# KiCad board cyclic.kicad_pcb (continued)
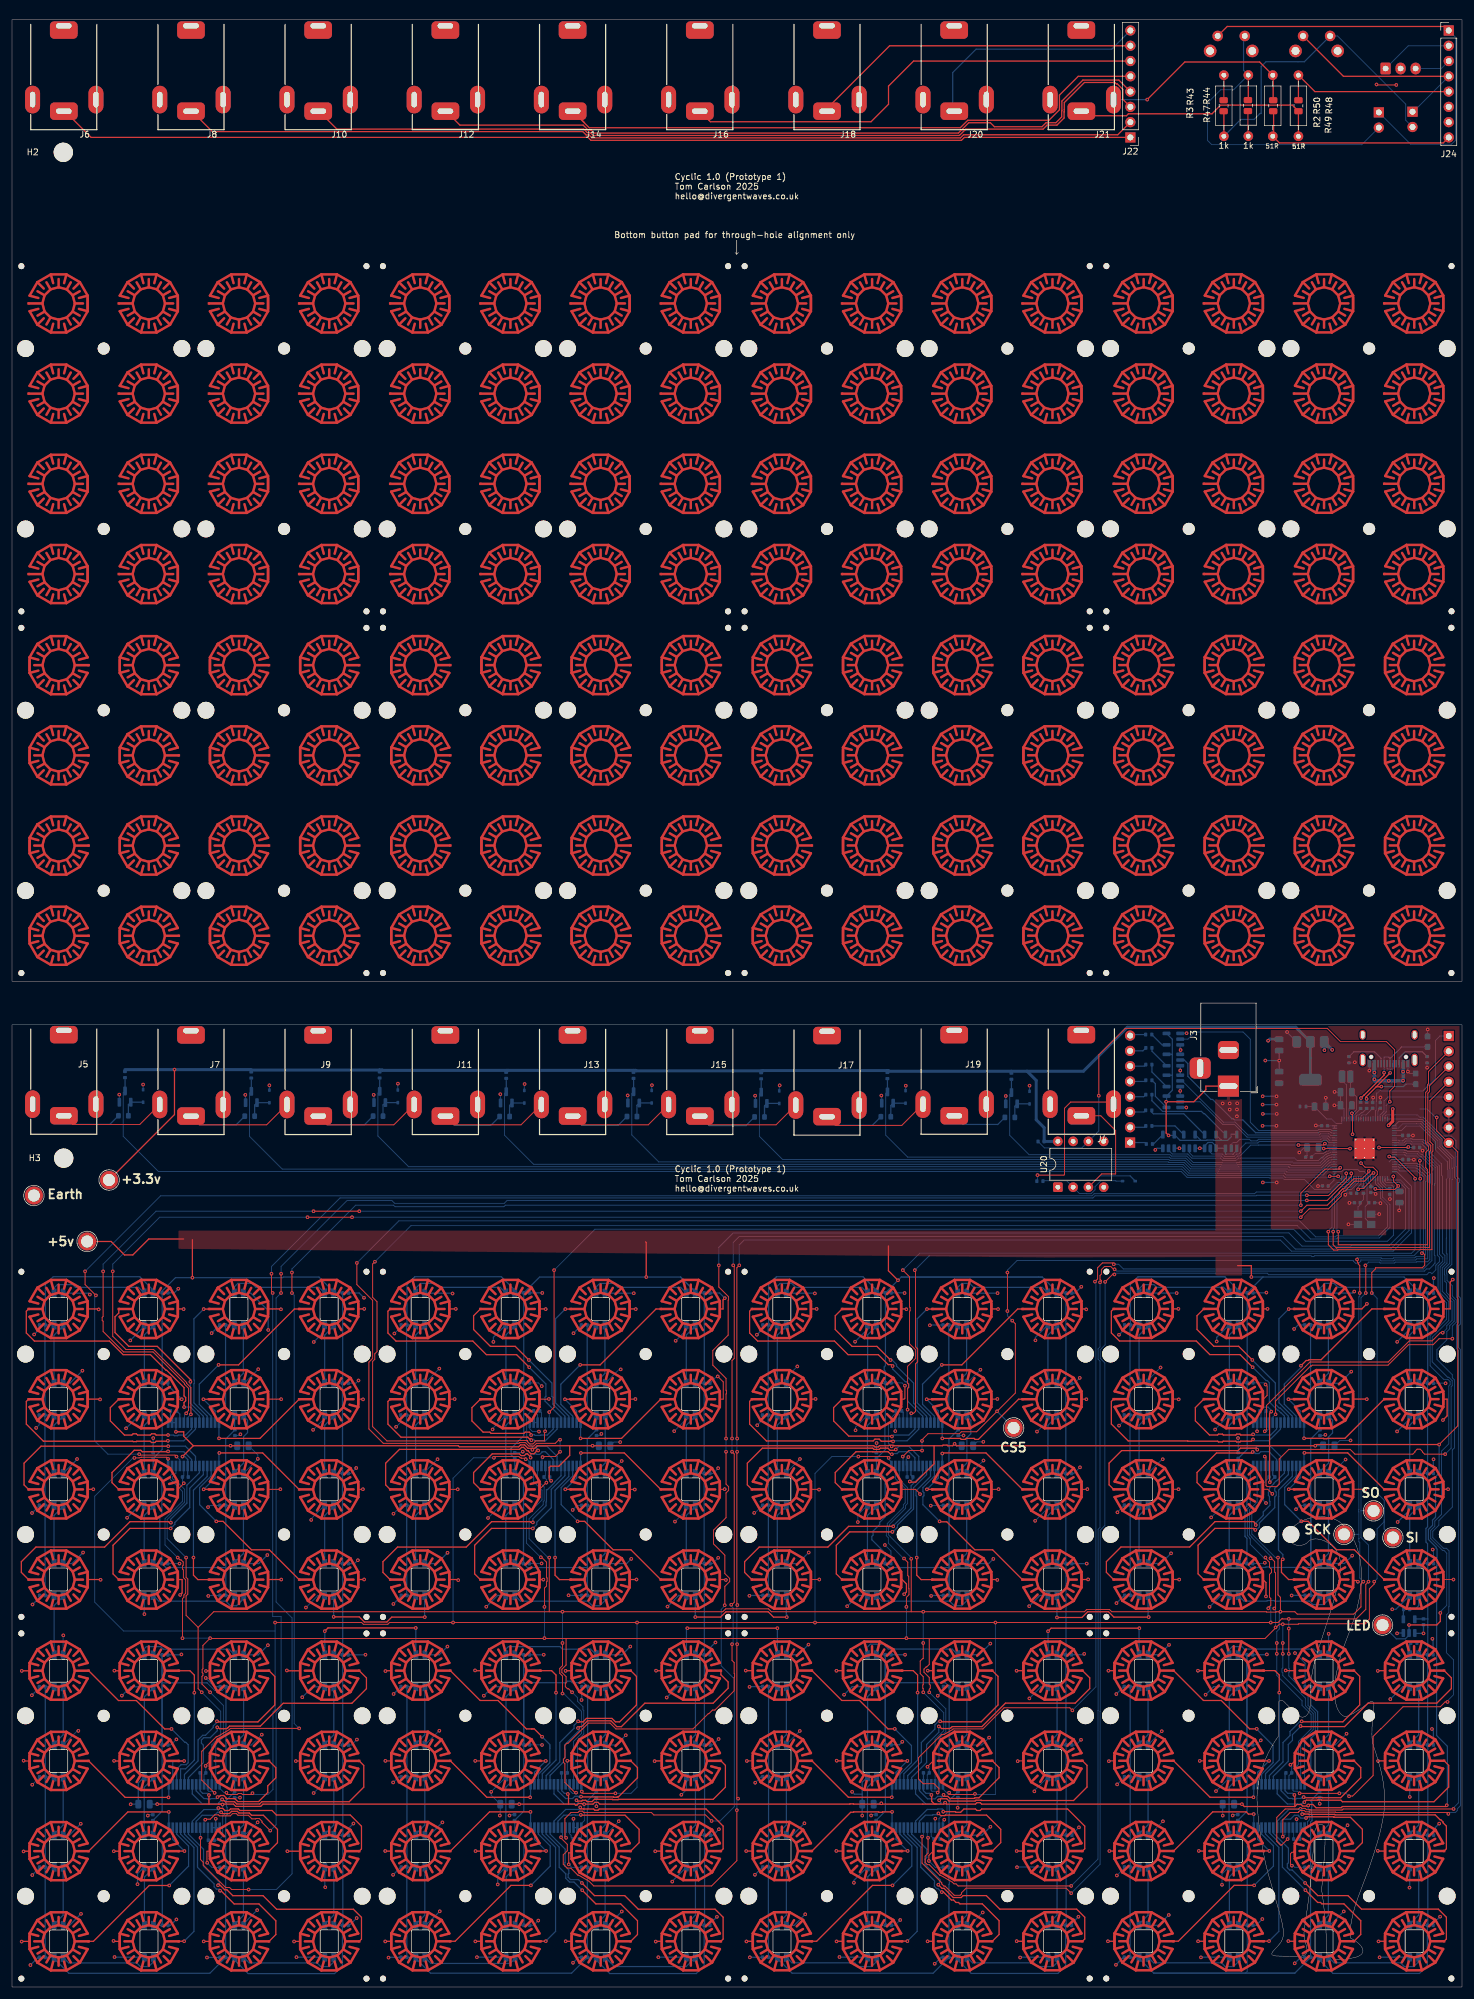
[diagram p0: board, top side]
## Placement (name value [footprint] x y rotation side) (continued)
D103  SK6812MINI-e (Reverse-mount)  [SK6812-MINI-E (From github)]  97.92 67.76 90 bottom
D104  SK6812MINI-e (Reverse-mount)  [SK6812-MINI-E (From github)]  112.88 112.75 270 bottom
D105  SK6812MINI-e (Reverse-mount)  [SK6812-MINI-E (From github)]  67.88 82.75 90 bottom
D106  SK6812MINI-e (Reverse-mount)  [SK6812-MINI-E (From github)]  82.89 97.75 270 bottom
D107  SK6812MINI-e (Reverse-mount)  [SK6812-MINI-E (From github)]  97.89 82.75 90 bottom
D108  SK6812MINI-e (Reverse-mount)  [SK6812-MINI-E (From github)]  112.88 97.75 270 bottom
D109  SK6812MINI-e (Reverse-mount)  [SK6812-MINI-E (From github)]  67.88 97.75 90 bottom
D110  SK6812MINI-e (Reverse-mount)  [SK6812-MINI-E (From github)]  82.86 82.75 270 bottom
D111  SK6812MINI-e (Reverse-mount)  [SK6812-MINI-E (From github)]  97.92 97.73 90 bottom
D112  SK6812MINI-e (Reverse-mount)  [SK6812-MINI-E (From github)]  112.88 82.75 270 bottom
D113  SK6812MINI-e (Reverse-mount)  [SK6812-MINI-E (From github)]  67.88 112.73 90 bottom
D114  SK6812MINI-e (Reverse-mount)  [SK6812-MINI-E (From github)]  82.86 67.75 270 bottom
D115  SK6812MINI-e (Reverse-mount)  [SK6812-MINI-E (From github)]  97.87 112.73 90 bottom
D116  SK6812MINI-e (Reverse-mount)  [SK6812-MINI-E (From github)]  112.88 67.75 270 bottom
D117  SK6812MINI-e (Reverse-mount)  [SK6812-MINI-E (From github)]  7.74 67.76 90 bottom
D118  SK6812MINI-e (Reverse-mount)  [SK6812-MINI-E (From github)]  22.72 112.75 270 bottom
D119  SK6812MINI-e (Reverse-mount)  [SK6812-MINI-E (From github)]  37.78 67.76 90 bottom
D120  SK6812MINI-e (Reverse-mount)  [SK6812-MINI-E (From github)]  52.74 112.75 270 bottom
D121  SK6812MINI-e (Reverse-mount)  [SK6812-MINI-E (From github)]  7.74 82.75 90 bottom
D122  SK6812MINI-e (Reverse-mount)  [SK6812-MINI-E (From github)]  22.75 97.75 270 bottom
D123  SK6812MINI-e (Reverse-mount)  [SK6812-MINI-E (From github)]  37.75 82.75 90 bottom
D124  SK6812MINI-e (Reverse-mount)  [SK6812-MINI-E (From github)]  52.74 97.75 270 bottom
D125  SK6812MINI-e (Reverse-mount)  [SK6812-MINI-E (From github)]  7.74 97.75 90 bottom
D126  SK6812MINI-e (Reverse-mount)  [SK6812-MINI-E (From github)]  22.72 82.75 270 bottom
D127  SK6812MINI-e (Reverse-mount)  [SK6812-MINI-E (From github)]  37.78 97.73 90 bottom
D128  SK6812MINI-e (Reverse-mount)  [SK6812-MINI-E (From github)]  52.74 82.75 270 bottom
D129  SK6812MINI-e (Reverse-mount)  [SK6812-MINI-E (From github)]  7.74 112.73 90 bottom
D130  SK6812MINI-e (Reverse-mount)  [SK6812-MINI-E (From github)]  22.72 67.75 270 bottom
D131  SK6812MINI-e (Reverse-mount)  [SK6812-MINI-E (From github)]  37.73 112.73 90 bottom
D132  SK6812MINI-e (Reverse-mount)  [SK6812-MINI-E (From github)]  52.74 67.75 270 bottom
D133  1N4148  [D_SOD-323]  21.81 148.16 90 bottom
D134  1N4148  [D_SOD-323]  42.81 148.09 90 bottom
D135  1N4148  [D_SOD-323]  64.16 148.1 90 bottom
D136  1N4148  [D_SOD-323]  85.21 148.04 90 bottom
D137  1N4148  [D_SOD-323]  106.38 148.04 90 bottom
D138  1N4148  [D_SOD-323]  127.6 147.96 90 bottom
D139  1N4148  [D_SOD-323]  148.6 148 90 bottom
D140  1N4148  [D_SOD-323]  169.23 147.89 90 bottom
H2  MountingHole  [MountingHole_3.2mm_M3]  8.53 305.08 0 top
H3  MountingHole  [MountingHole_3.2mm_M3]  8.6 137.82 0 top
J1  USB_C_Receptacle_USB2.0_16P  [USB-C-SMD_G-SWITCH_GT-USB-9010AB]  228.95 155.93 0 bottom
J2  Conn_01x03  [JST_XH_S3B-XH-A-1_1x03_P2.50mm_Horizontal]  228.44 319.02 0 bottom
J3  Barrel_Jack  [BarrelJack_Horizontal]  202.31 149.8 270 top
J4  AudioJack3  [Jack_3.5mm_QingPu_WQP729JH-B-STEREO]  168.08 154.56 270 top
J5  AudioJack2  [Jack_3.5mm_QingPu_WQP729JH-R-MONO]  -1.16 154.56 270 top
J6  AudioJack2  [Jack_3.5mm_QingPu_WQP729JH-R-MONO]  -1.16 321.61 270 top
J7  AudioJack2  [Jack_3.5mm_QingPu_WQP729JH-R-MONO]  20 154.51 270 top
J8  AudioJack2  [Jack_3.5mm_QingPu_WQP729JH-R-MONO]  20 321.61 270 top
J9  AudioJack2  [Jack_3.5mm_QingPu_WQP729JH-R-MONO]  41.16 154.51 270 top
J10  AudioJack2  [Jack_3.5mm_QingPu_WQP729JH-R-MONO]  41.16 321.61 270 top
J11  AudioJack2  [Jack_3.5mm_QingPu_WQP729JH-R-MONO]  62.31 154.51 270 top
J12  AudioJack2  [Jack_3.5mm_QingPu_WQP729JH-R-MONO]  62.31 321.61 270 top
J13  AudioJack2  [Jack_3.5mm_QingPu_WQP729JH-R-MONO]  83.47 154.51 270 top
J14  AudioJack2  [Jack_3.5mm_QingPu_WQP729JH-R-MONO]  83.47 321.61 270 top
J15  AudioJack2  [Jack_3.5mm_QingPu_WQP729JH-R-MONO]  104.63 154.51 270 top
J16  AudioJack2  [Jack_3.5mm_QingPu_WQP729JH-R-MONO]  104.63 321.61 270 top
J17  AudioJack2  [Jack_3.5mm_QingPu_WQP729JH-R-MONO]  125.78 154.41 270 top
J18  AudioJack2  [Jack_3.5mm_QingPu_WQP729JH-R-MONO]  125.78 321.61 270 top
J19  AudioJack2  [Jack_3.5mm_QingPu_WQP729JH-R-MONO]  146.94 154.56 270 top
J20  AudioJack2  [Jack_3.5mm_QingPu_WQP729JH-R-MONO]  146.94 321.61 270 top
J21  AudioJack3  [Jack_3.5mm_QingPu_WQP729JH-B-STEREO]  168.08 321.61 270 top
J22  Conn_01x08_Pin  [PinHeader_1x08_P2.54mm_Vertical]  186 307.56 180 top
J23  Conn_01x08_Socket  [PinSocket_1x08_P2.54mm_Vertical]  185.95 140.42 0 bottom
J24  Conn_01x08_Pin  [PinHeader_1x08_P2.54mm_Vertical]  238.95 325.34 0 top
J25  Conn_01x08_Socket  [PinSocket_1x08_P2.54mm_Vertical]  238.95 158.14 180 bottom
J26  Conn_01x02_Pin  [PinHeader_1x02_P2.54mm_Vertical]  232.92 311.83 180 bottom
J27  Conn_01x02_Pin  [PinHeader_1x02_P2.54mm_Vertical]  227.32 311.72 180 bottom
L1  3.3u  [L_Cenker_CKCS201610]  221.9 151.4 180 bottom
Q1  MMBT3904  [SOT-23]  18.8 148.06 90 bottom
Q2  MMBT3904  [SOT-23]  39.8 147.99 90 bottom
Q3  MMBT3904  [SOT-23]  61.15 148 90 bottom
Q4  MMBT3904  [SOT-23]  82.2 147.94 90 bottom
Q5  MMBT3904  [SOT-23]  103.38 147.94 90 bottom
Q6  MMBT3904  [SOT-23]  124.6 147.86 90 bottom
Q7  MMBT3904  [SOT-23]  145.6 147.9 90 bottom
Q8  MMBT3904  [SOT-23]  166.22 147.79 90 bottom
R1  5.1k  [R_0402_1005Metric]  222.35 154.2 270 bottom
R2  1k  [R_0805_2012Metric]  205.55 312.85 270 top
R3  1k  [R_0805_2012Metric]  201.51 312.83 90 top
R4  5.1k  [R_0402_1005Metric]  235.35 154.2 270 bottom
R5  33  [R_0402_1005Metric]  214.7 146.4 0 bottom
R6  1k  [R_0402_1005Metric]  224.75 132.49 270 bottom
R7  27  [R_0402_1005Metric]  225.3 146.6 270 bottom
R8  27  [R_0402_1005Metric]  224.3 146.6 270 bottom
R9  500R  [R_0402_1005Metric]  231.95 62.8 180 bottom
R10  500R  [R_0402_1005Metric]  233.15 57.2 0 bottom
R11  10k  [R_0402_1005Metric]  33.15 24.4 180 bottom
R12  10k  [R_0402_1005Metric]  93.84 24.6 180 bottom
R13  10k  [R_0402_1005Metric]  153.84 24.6 180 bottom
R14  10k  [R_0402_1005Metric]  213.66 24.6 180 bottom
R15  10k  [R_0402_1005Metric]  208.06 95.8 0 bottom
R16  10k  [R_0402_1005Metric]  147.46 95.8 0 bottom
R17  10k  [R_0402_1005Metric]  87.26 95.8 0 bottom
R18  10k  [R_0402_1005Metric]  26.86 95.8 0 bottom
R19  100k  [R_0603_1608Metric]  18.53 144.87 180 bottom
R20  100R  [R_0402_1005Metric]  189.16 140.18 180 bottom
R21  10k  [R_0402_1005Metric]  18.78 151.72 270 bottom
R22  100k  [R_0603_1608Metric]  39.53 144.8 180 bottom
R23  100R  [R_0402_1005Metric]  189.07 143.18 180 bottom
R24  10k  [R_0402_1005Metric]  39.78 151.65 270 bottom
R25  100k  [R_0603_1608Metric]  60.88 144.81 180 bottom
R26  100R  [R_0402_1005Metric]  189.05 145.78 180 bottom
R27  10k  [R_0402_1005Metric]  61.14 151.66 270 bottom
R28  100k  [R_0603_1608Metric]  81.92 144.75 180 bottom
R29  100R  [R_0402_1005Metric]  189.07 148.38 180 bottom
R30  10k  [R_0402_1005Metric]  82.19 151.59 270 bottom
R31  100k  [R_0603_1608Metric]  103.1 144.75 180 bottom
R32  100R  [R_0402_1005Metric]  189.07 150.78 180 bottom
R33  10k  [R_0402_1005Metric]  103.36 151.6 270 bottom
R34  100k  [R_0603_1608Metric]  124.33 144.67 180 bottom
R35  100R  [R_0402_1005Metric]  189.07 153.38 180 bottom
R36  10k  [R_0402_1005Metric]  124.59 151.52 270 bottom
R37  100k  [R_0603_1608Metric]  145.33 144.71 180 bottom
R38  100R  [R_0402_1005Metric]  189.08 156.15 180 bottom
R39  10k  [R_0402_1005Metric]  145.59 151.56 270 bottom
R40  100k  [R_0603_1608Metric]  165.95 144.6 180 bottom
R41  100R  [R_0402_1005Metric]  189.05 158.38 180 bottom
R42  10k  [R_0402_1005Metric]  166.21 151.45 270 bottom
R43  1k  [R_Axial_DIN0207_L6.3mm_D2.5mm_P10.16mm_Horizontal]  201.55 307.75 90 top
R44  1k  [R_Axial_DIN0207_L6.3mm_D2.5mm_P10.16mm_Horizontal]  205.62 317.93 270 top
R45  220R  [R_0402_1005Metric]  170.95 134 0 bottom
R46  10k  [R_0402_1005Metric]  171.15 140.6 0 bottom
R47  51R  [R_0805_2012Metric]  209.75 312.83 90 top
R48  51R  [R_0805_2012Metric]  213.95 312.83 270 top
R49  51R  [R_Axial_DIN0207_L6.3mm_D2.5mm_P10.16mm_Horizontal]  213.95 307.75 90 top
R50  51R  [R_Axial_DIN0207_L6.3mm_D2.5mm_P10.16mm_Horizontal]  209.68 317.91 270 top
SW1  SW_Push  [SW_Tactile_SPST_Angled_PTS645Vx39-2LFS]  219.22 324.43 180 bottom
SW2  SW_Push  [SW_Tactile_SPST_Angled_PTS645Vx39-2LFS]  205.03 324.43 180 bottom
SW3  ~  [ELAST_PAD_SQUARE_10MM_5.4MM_4X4GRID]  30.25 30.09 0 top
SW4  ~  [ELAST_PAD_SQUARE_10MM_5.4MM_4X4GRID]  90.4 30.1 0 top
SW5  ~  [ELAST_PAD_SQUARE_10MM_5.4MM_4X4GRID]  150.54 30.1 0 top
SW6  ~  [ELAST_PAD_SQUARE_10MM_5.4MM_4X4GRID]  210.69 30.11 0 top
SW7  ~  [ELAST_PAD_SQUARE_10MM_5.4MM_4X4GRID]  210.71 90.25 180 top
SW8  ~  [ELAST_PAD_SQUARE_10MM_5.4MM_4X4GRID]  150.54 90.24 180 top
SW9  ~  [ELAST_PAD_SQUARE_10MM_5.4MM_4X4GRID]  90.39 90.24 180 top
SW10  ~  [ELAST_PAD_SQUARE_10MM_5.4MM_4X4GRID]  30.25 90.24 180 top
SW11  ~  [ELAST_PAD_SQUARE_10MM_5.4MM_4X4GRID]  30.25 257.45 180 top
SW12  ~  [ELAST_PAD_SQUARE_10MM_5.4MM_4X4GRID]  30.25 197.3 0 top
SW13  ~  [ELAST_PAD_SQUARE_10MM_5.4MM_4X4GRID]  90.39 257.45 180 top
SW14  ~  [ELAST_PAD_SQUARE_10MM_5.4MM_4X4GRID]  90.4 197.31 0 top
SW15  ~  [ELAST_PAD_SQUARE_10MM_5.4MM_4X4GRID]  150.54 257.45 180 top
SW16  ~  [ELAST_PAD_SQUARE_10MM_5.4MM_4X4GRID]  150.54 197.32 0 top
SW17  ~  [ELAST_PAD_SQUARE_10MM_5.4MM_4X4GRID]  210.71 257.46 180 top
SW18  ~  [ELAST_PAD_SQUARE_10MM_5.4MM_4X4GRID]  210.69 197.32 0 top
TP1  TestPoint  [TestPoint_Plated_Hole_D2.0mm]  227.94 60.18 0 top
TP2  TestPoint  [TestPoint_Plated_Hole_D2.0mm]  226.44 79.17 0 top
TP3  TestPoint  [TestPoint_Plated_Hole_D2.0mm]  221.52 75.27 0 top
TP4  TestPoint  [TestPoint_Plated_Hole_D2.0mm]  229.66 74.73 0 top
TP5  TestPoint  [TestPoint_Plated_Hole_D2.0mm]  166.58 92.97 0 top
TP6  TestPoint  [TestPoint_Plated_Hole_D2.0mm]  3.64 131.61 0 top
TP7  TestPoint  [TestPoint_Plated_Hole_D2.0mm]  12.49 123.97 0 top
TP8  TestPoint  [TestPoint_Plated_Hole_D2.0mm]  16.14 134.19 0 top
U1  NCP1117-3.3_SOT223  [SOT-223-3_TabPin2]  215.95 154 270 bottom
U2  RP2350_80QFN  [QFN-80-1EP_10x10mm_P0.4mm_EP3.4x3.4mm_ThermalVias]  224.95 139.4 180 bottom
U3  74AHCT1G125  [SOT-23-5]  232.35 60 90 bottom
U4  MCP23S17_SO  [SSOP-28_5.3x10.2mm_P0.65mm]  30.31 30.09 270 bottom
U5  MCP23S17_SO  [SSOP-28_5.3x10.2mm_P0.65mm]  90.46 30.1 270 bottom
U6  MCP23S17_SO  [SSOP-28_5.3x10.2mm_P0.65mm]  150.6 30.1 270 bottom
U7  MCP23S17_SO  [SSOP-28_5.3x10.2mm_P0.65mm]  210.75 30.11 270 bottom
U8  MCP23S17_SO  [SSOP-28_5.3x10.2mm_P0.65mm]  210.65 90.25 90 bottom
U9  MCP23S17_SO  [SSOP-28_5.3x10.2mm_P0.65mm]  150.48 90.24 90 bottom
U10  MCP23S17_SO  [SSOP-28_5.3x10.2mm_P0.65mm]  90.33 90.24 90 bottom
U11  MCP23S17_SO  [SSOP-28_5.3x10.2mm_P0.65mm]  30.19 90.24 90 bottom
U12  74AHCT1G125  [SOT-23-5]  192.35 140.6 90 bottom
U13  74AHCT1G125  [SOT-23-5]  195.82 140.6 90 bottom
U14  74AHCT1G125  [SOT-23-5]  199.29 140.6 90 bottom
U15  74AHCT1G125  [SOT-23-5]  202.76 140.6 90 bottom
U16  74AHCT1G125  [SOT-23-5]  193.15 147.2 180 bottom
U17  74AHCT1G125  [SOT-23-5]  193.15 150.67 180 bottom
U18  74AHCT1G125  [SOT-23-5]  193.15 154.14 180 bottom
U19  74AHCT1G125  [SOT-23-5]  193.15 157.61 180 bottom
U20  6N137  [DIP-8_W7.62mm]  173.94 133 90 top
Y1  ABM8-272-T3  [Crystal_SMD_3225-4Pin_3.2x2.5mm]  224.95 127.65 180 bottom

## Library data of the parts
C1-C21 = -: ki_fp_filters: C_*
C22 C40 C58 C76 C94 C112 C130 C148 = -: Description: Polarized capacitor; ki_fp_filters: CP_*
C23-C39 C41-C57 C59-C75 C77-C93 C95-C111 C113-C129 C131-C147 C149-C165 = -: Description: Unpolarized capacitor; ki_fp_filters: C_*
D1 D2 = -: Datasheet: https://www.vishay.com/docs/88301/15ke.pdf; Description: ESD diode, 0603, B72500T0250K060; ki_fp_filters: D?DO?201AE*
D3 = -: Datasheet: https://www.vishay.com/docs/85748/1n4148w.pdf; Description: 75V 0.15A Fast Switching Diode, SOD-123; Sim.Device: D; Sim.Pins: 1=K 2=A; ki_fp_filters: D*SOD?123*
D5-D132 = -: Datasheet: https://cdn-shop.adafruit.com/product-files/2686/SK6812MINI_REV.01-1-2.pdf; Description: RGB LED with integrated controller; FT Rotation Offset: 180; ki_fp_filters: LED*SK6812MINI*PLCC*3.5x3.5mm*P1.75mm*
D133-D140 = -: Datasheet: https://assets.nexperia.com/documents/data-sheet/1N4148_1N4448.pdf; ki_fp_filters: D*DO?35*
H2 H3 = -: Description: Mounting Hole without connection; ki_fp_filters: MountingHole*
J1 = -: Datasheet: https://www.usb.org/sites/default/files/documents/usb_type-c.zip; Description: USB 2.0-only 16P Type-C Receptacle connector; ki_fp_filters: USB*C*Receptacle*
J2 = -: Description: Generic connector, single row, 01x03, script generated (kicad-library-utils/schlib/autogen/connector/); ki_fp_filters: Connector*:*_1x??_*
J3 = -: Description: DC Barrel Jack; ki_fp_filters: BarrelJack*
J4 J21 = -: Description: Audio Jack, 3 Poles (Stereo / TRS); ki_fp_filters: Jack*
J5 J7 J9 J11 J13 J15 J17 J19 = -: Description: Audio Jack, 2 Poles (Mono / TS), Switched T Pole (Normalling); ki_fp_filters: Jack*
J6 J8 J10 J12 J14 J16 J18 J20 = -: Description: Audio Jack, 2 Poles (Mono / TS); ki_fp_filters: Jack*
J22-J25 = -: Description: Generic connector, single row, 01x08, script generated; ki_fp_filters: Connector*:*_1x??_*
J26 J27 = -: Description: Generic connector, single row, 01x02, script generated; ki_fp_filters: Connector*:*_1x??_*
L1 = -: ki_fp_filters: Choke_* *Coil* Inductor_* L_*
Q1-Q8 = -: Datasheet: https://www.fairchildsemi.com/datasheets/2N/2N3904.pdf; ki_fp_filters: SOT?23*
R1 R4 R9-R18 R20 R23 R26 R29 R32 R35 R38 R41 R45-R50 = -: Description: Resistor; ki_fp_filters: R_*
R2 R3 R5-R8 R19 R21 R22 R24 R25 R27 R28 R30 R31 R33 R34 R36 R37 R39 R40 R42-R44 = -: ki_fp_filters: R_*
TP1-TP8 = -: Description: test point; ki_fp_filters: Pin* Test*
U1 = -: Datasheet: http://www.onsemi.com/pub_link/Collateral/NCP1117-D.PDF; ki_fp_filters: SOT?223*TabPin2*
U3 U12-U19 = -: Datasheet: http://www.ti.com/lit/sg/scyt129e/scyt129e.pdf; Description: Single Buffer Gate Tri-State, Low-Voltage CMOS; ki_fp_filters: SOT* SG-*
U4-U11 = -: Datasheet: http://ww1.microchip.com/downloads/en/DeviceDoc/20001952C.pdf; Description: 16-bit I/O expander, SPI, interrupts, w pull-ups, SOIC-28; ki_fp_filters: SOIC*7.5x17.9mm*P1.27mm*
U20 = -: Datasheet: https://docs.broadcom.com/docs/AV02-0940EN; Description: Single High Speed LSTTL/TTL Compatible Optocoupler with enable, dV/dt 1000/us, VCM 10, max 7V VCC, DIP-8; ki_fp_filters: DIP*W7.62mm*
Y1 = -: ki_fp_filters: Crystal*

## Footprints (pads in the part's own frame, mm; a bottom-side part is the same pattern mirrored in y, then rotated)
BarrelJack_Horizontal
  rect 3.5x3.5 hole 1x3: 1(0,0)
  rrect 3x3.5 hole 1x3: 2(-6,0)
  rrect 3.5x3.5 hole 3x1: 3(-3,-4.7)
C_0402_1005Metric
  rrect 0.56x0.62 smd: 1(-0.48,0) 2(0.48,0)
C_0805_2012Metric
  rrect 1x1.45 smd: 1(-0.95,0) 2(0.95,0)
Crystal_SMD_3225-4Pin_3.2x2.5mm
  rect 1.4x1.2 smd: 1(-1.1,-0.85) 2(1.1,-0.85) 3(1.1,0.85) 4(-1.1,0.85)
D_0603_1608Metric_Pad1.05x0.95mm_HandSolder
  rrect 1.05x0.95 smd: 1(-0.875,0) 2(0.875,0)
D_SOD-323
  rrect 0.6x0.45 smd: 1(-1.05,0) 2(1.05,0)
DIP-8_W7.62mm
  rrect 1.6x1.6 hole 0.8: 1(0,0)
  round 1.6 hole 0.8: 2(0,-2.54) 3(0,-5.08) 4(0,-7.62) 5(7.62,-7.62) 6(7.62,-5.08) 7(7.62,-2.54) 8(7.62,0)
ELAST_PAD_SQUARE_10MM_5.4MM_4X4GRID
  round 1 hole 1 unplated: (-28.7,28.7) (-28.7,-28.7) (28.7,28.7) (28.7,-28.7)
  round 2.8 hole 2.8 unplated: (-28,15) (-28,-15) (-2,15) (-2,-15) (2,15) (2,-15) (28,15) (28,-15)
  round 2 hole 2 unplated: (-15,15) (-15,-15) (15,15) (15,-15)
  rect 0.4x2 smd: 1(-27.33,22.49) 3(-12.33,22.49) 5(2.67,22.49) 7(17.67,22.49) 9(-27.33,7.49) 11(-12.33,7.49) 13(2.67,7.49) 15(17.67,7.49) 17(-27.33,-7.51) 19(-12.33,-7.51) 21(2.67,-7.51) 23(17.67,-7.51) 25(-27.33,-22.51) 27(-12.33,-22.51) 29(2.67,-22.51) 31(17.67,-22.51)
  rect 0.4x0.4 smd: 2(-17.5,22.5) 4(-2.5,22.5) 6(12.5,22.5) 8(27.5,22.5) 10(-17.5,7.5) 12(-2.5,7.5) 14(12.5,7.5) 16(27.5,7.5) 18(-17.5,-7.5) 20(-2.5,-7.5) 22(12.5,-7.5) 24(27.5,-7.5) 26(-17.5,-22.5) 28(-2.5,-22.5) 30(12.5,-22.5) 32(27.5,-22.5)
Jack_3.5mm_QingPu_WQP729JH-B-STEREO
  oval 4.6x2.5 hole 2.6x0.9: R(7.76,15.11) TN(7.76,4.57)
  rrect 2.9x4.6 hole 0.9x2.6: S(-4.5,9.76) T(9.69,9.77)
Jack_3.5mm_QingPu_WQP729JH-R-MONO
  oval 4.6x2.5 hole 2.6x0.9: NC(7.76,15.11) TN(7.76,4.57)
  rrect 2.9x4.6 hole 0.9x2.6: S(-4.5,9.76) T(9.69,9.77)
JST_XH_S3B-XH-A-1_1x03_P2.50mm_Horizontal
  rrect 1.7x1.95 hole 0.95: 1(0,0)
  oval 1.7x1.95 hole 0.95: 2(2.5,0) 3(5,0)
L_Cenker_CKCS201610
  rrect 1.1x2.1 smd: 1(-0.7,0) 2(0.7,0)
MountingHole_3.2mm_M3
  round 3.2 hole 3.2 unplated: (0,0)
PinHeader_1x02_P2.54mm_Vertical
  rect 1.7x1.7 hole 1: 1(0,0)
  oval 1.7x1.7 hole 1: 2(0,-2.54)
PinHeader_1x08_P2.54mm_Vertical
  rect 1.7x1.7 hole 1: 1(0,0)
  oval 1.7x1.7 hole 1: 2(0,-2.54) 3(0,-5.08) 4(0,-7.62) 5(0,-10.16) 6(0,-12.7) 7(0,-15.24) 8(0,-17.78)
PinSocket_1x08_P2.54mm_Vertical
  rect 1.7x1.7 hole 1: 1(0,0)
  oval 1.7x1.7 hole 1: 2(0,-2.54) 3(0,-5.08) 4(0,-7.62) 5(0,-10.16) 6(0,-12.7) 7(0,-15.24) 8(0,-17.78)
QFN-80-1EP_10x10mm_P0.4mm_EP3.4x3.4mm_ThermalVias
  custom 0.658x0.658 smd: (-1.087,-1.087) (-1.087,-0.362) (-1.087,0.362) (-1.087,1.087) (-0.362,-1.087) (-0.362,-0.362) (-0.362,0.362) (-0.362,1.087) (0.362,-1.087) (0.362,-0.362) (0.362,0.362) (0.362,1.087) (1.087,-1.087) (1.087,-0.362) (1.087,0.362) (1.087,1.087)
  rrect 0.8x0.2 smd: 1(-4.95,3.8) 2(-4.95,3.4) 3(-4.95,3) 4(-4.95,2.6) 5(-4.95,2.2) 6(-4.95,1.8) 7(-4.95,1.4) 8(-4.95,1) 9(-4.95,0.6) 10(-4.95,0.2) 11(-4.95,-0.2) 12(-4.95,-0.6) 13(-4.95,-1) 14(-4.95,-1.4) 15(-4.95,-1.8) 16(-4.95,-2.2) 17(-4.95,-2.6) 18(-4.95,-3) 19(-4.95,-3.4) 20(-4.95,-3.8) 41(4.95,-3.8) 42(4.95,-3.4) 43(4.95,-3) 44(4.95,-2.6) 45(4.95,-2.2) 46(4.95,-1.8) 47(4.95,-1.4) 48(4.95,-1) 49(4.95,-0.6) 50(4.95,-0.2) 51(4.95,0.2) 52(4.95,0.6) 53(4.95,1) 54(4.95,1.4) 55(4.95,1.8) 56(4.95,2.2) 57(4.95,2.6) 58(4.95,3) 59(4.95,3.4) 60(4.95,3.8)
  rrect 0.2x0.8 smd: 21(-3.8,-4.95) 22(-3.4,-4.95) 23(-3,-4.95) 24(-2.6,-4.95) 25(-2.2,-4.95) 26(-1.8,-4.95) 27(-1.4,-4.95) 28(-1,-4.95) 29(-0.6,-4.95) 30(-0.2,-4.95) 31(0.2,-4.95) 32(0.6,-4.95) 33(1,-4.95) 34(1.4,-4.95) 35(1.8,-4.95) 36(2.2,-4.95) 37(2.6,-4.95) 38(3,-4.95) 39(3.4,-4.95) 40(3.8,-4.95) 61(3.8,4.95) 62(3.4,4.95) 63(3,4.95) 64(2.6,4.95) 65(2.2,4.95) 66(1.8,4.95) 67(1.4,4.95) 68(1,4.95) 69(0.6,4.95) 70(0.2,4.95) 71(-0.2,4.95) 72(-0.6,4.95) 73(-1,4.95) 74(-1.4,4.95) 75(-1.8,4.95) 76(-2.2,4.95) 77(-2.6,4.95) 78(-3,4.95) 79(-3.4,4.95) 80(-3.8,4.95)
  round 0.5 hole 0.2: 81(-1.45,-1.45) 81(-1.45,0) 81(-1.45,1.45) 81(0,-1.45) 81(0,0) 81(0,1.45) 81(1.45,-1.45) 81(1.45,0) 81(1.45,1.45)
  rect 3.4x3.4 smd far side: 81(0,0)
  rect 3.4x3.4 smd: 81(0,0)
R_0402_1005Metric
  rrect 0.54x0.64 smd: 1(-0.51,0) 2(0.51,0)
R_0603_1608Metric
  rrect 0.8x0.95 smd: 1(-0.825,0) 2(0.825,0)
R_0805_2012Metric
  rrect 1.025x1.4 smd: 1(-0.912,0) 2(0.912,0)
R_Axial_DIN0207_L6.3mm_D2.5mm_P10.16mm_Horizontal
  round 1.6 hole 0.8: 1(0,0)
  oval 1.6x1.6 hole 0.8: 2(10.16,0)
SK6812-MINI-E (From github)
  rect 1.45x0.82 smd: 1(-2.675,-0.75) 2(-2.675,0.75) 4(2.675,-0.75)
  rrect 1.45x0.82 smd: 3(2.675,0.75)
SOT-23
  rrect 1.475x0.6 smd: 1(-0.938,0.95) 2(-0.938,-0.95) 3(0.938,0)
SOT-23-5
  rrect 1.325x0.6 smd: 1(-1.137,0.95) 2(-1.137,0) 3(-1.137,-0.95) 4(1.137,-0.95) 5(1.137,0.95)
SOT-223-3_TabPin2
  rrect 2x1.5 smd: 1(-3.15,2.3) 2(-3.15,0) 3(-3.15,-2.3)
  rrect 2x3.8 smd: 2(3.15,0)
SSOP-28_5.3x10.2mm_P0.65mm
  rect 1.75x0.45 smd: 1(-3.6,4.225) 2(-3.6,3.575) 3(-3.6,2.925) 4(-3.6,2.275) 5(-3.6,1.625) 6(-3.6,0.975) 7(-3.6,0.325) 8(-3.6,-0.325) 9(-3.6,-0.975) 10(-3.6,-1.625) 11(-3.6,-2.275) 12(-3.6,-2.925) 13(-3.6,-3.575) 14(-3.6,-4.225) 15(3.6,-4.225) 16(3.6,-3.575) 17(3.6,-2.925) 18(3.6,-2.275) 19(3.6,-1.625) 20(3.6,-0.975) 21(3.6,-0.325) 22(3.6,0.325) 23(3.6,0.975) 24(3.6,1.625) 25(3.6,2.275) 26(3.6,2.925) 27(3.6,3.575) 28(3.6,4.225)
SW_Tactile_SPST_Angled_PTS645Vx39-2LFS
  round 2.1 hole 1.3: (-1.25,-2.49) (5.76,-2.49)
  round 1.75 hole 0.99: 1(0,0) 2(4.5,0)
TestPoint_Plated_Hole_D2.0mm
  round 3 hole 2: 1(0,0)
USB-C-SMD_G-SWITCH_GT-USB-9010AB
  round 0.8 hole 0.65: (-2.9,1.28) (2.89,1.28)
  oval 1x2.1 hole 0.6x1.7: 1(-4.32,1.78) 2(4.32,1.78)
  oval 1x1.6 hole 0.6x1.2: 3(4.32,-2.4) 4(-4.32,-2.4)
  rect 0.6x1.24 smd: A1(-3.2,2.4) A1(3.2,2.4) A4(-2.4,2.4) A4(2.4,2.4)
  rect 0.3x1.24 smd: A5(-1.25,2.4) A6(-0.25,2.4) A7(0.25,2.4) A8(1.25,2.4) B5(1.75,2.4) B6(0.75,2.4) B7(-0.75,2.4) B8(-1.75,2.4)

## Nets
+1V1: C4.1 C6.1 C8.1 C10.1 L1.1 U2.10 U2.32 U2.51 U2.65
+3.3V: C1.1 C9.1 C11.1 C12.1 C13.1 C14.1 C15.1 C16.1 C18.1 C19.1 C20.1 C21.1 C22.1 C23.1 C40.1 C41.1 C58.1 C59.1 C76.1 C77.1 C94.1 C95.1 C112.1 C113.1 C130.1 C131.1 C148.1 C149.1 J24.8 J25.8 R5.1 R11.1 R12.1 R13.1 R14.1 R15.1 R16.1 R17.1 R18.1 R21.1 R24.1 R27.1 R30.1 R33.1 R36.1 R39.1 R42.1 R46.2 R47.1 R50.2 TP8.1 U1.2 U2.5 U2.15 U2.24 U2.29 U2.41 U2.50 U2.59 U2.60 U2.64 U2.68 U2.69 U2.76 U4.9 U5.9 U5.15 U6.9 U6.16 U7.9 U7.15 U7.16 U8.9 U8.17 U9.9 U9.15 U9.17 U10.9 U10.16 U10.17 U11.9 U11.15 U11.16 U11.17 U20.8
+5V: C5.1 C17.1 C24.1 C25.1 C26.1 C27.1 C28.1 C29.1 C30.1 C31.1 C32.1 C33.1 C34.1 C35.1 C36.1 C37.1 C38.1 C39.1 C42.1 C43.1 C44.1 C45.1 C46.1 C47.1 C48.1 C49.1 C50.1 C51.1 C52.1 C53.1 C54.1 C55.1 C56.1 C57.1 C60.1 C61.1 C62.1 C63.1 C64.1 C65.1 C66.1 C67.1 C68.1 C69.1 C70.1 C71.1 C72.1 C73.1 C74.1 C75.1 C78.1 C79.1 C80.1 C81.1 C82.1 C83.1 C84.1 C85.1 C86.1 C87.1 C88.1 C89.1 C90.1 C91.1 C92.1 C93.1 C96.1 C97.1 C98.1 C99.1 C100.1 C101.1 C102.1 C103.1 C104.1 C105.1 C106.1 C107.1 C108.1 C109.1 C110.1 C111.1 C114.1 C115.1 C116.1 C117.1 C118.1 C119.1 C120.1 C121.1 C122.1 C123.1 C124.1 C125.1 C126.1 C127.1 C128.1 C129.1 C132.1 C133.1 C134.1 C135.1 C136.1 C137.1 C138.1 C139.1 C140.1 C141.1 C142.1 C143.1 C144.1 C145.1 C146.1 C147.1 C150.1 C151.1 C152.1 C153.1 C154.1 C155.1 C156.1 C157.1 C158.1 C159.1 C160.1 C161.1 C162.1 C163.1 C164.1 C165.1 D5.1 D6.1 D7.1 D8.1 D9.1 D10.1 D11.1 D12.1 D13.1 D14.1 D15.1 D16.1 D17.1 D18.1 D19.1 D20.1 D21.1 D22.1 D23.1 D24.1 D25.1 D26.1 D27.1 D28.1 D29.1 D30.1 D31.1 D32.1 D33.1 D34.1 D35.1 D36.1 D37.1 D38.1 D39.1 D40.1 D41.1 D42.1 D43.1 D44.1 D45.1 D46.1 D47.1 D48.1 D49.1 D50.1 D51.1 D52.1 D53.1 D54.1 D55.1 D56.1 D57.1 D58.1 D59.1 D60.1 D61.1 D62.1 D63.1 D64.1 D65.1 D66.1 D67.1 D68.1 D69.1 D70.1 D71.1 D72.1 D73.1 D74.1 D75.1 D76.1 D77.1 D78.1 D79.1 D80.1 D81.1 D82.1 D83.1 D84.1 D85.1 D86.1 D87.1 D88.1 D89.1 D90.1 D91.1 D92.1 D93.1 D94.1 D95.1 D96.1 D97.1 D98.1 D99.1 D100.1 D101.1 D102.1 D103.1 D104.1 D105.1 D106.1 D107.1 D108.1 D109.1 D110.1 D111.1 D112.1 D113.1 D114.1 D115.1 D116.1 D117.1 D118.1 D119.1 D120.1 D121.1 D122.1 D123.1 D124.1 D125.1 D126.1 D127.1 D128.1 D129.1 D130.1 D131.1 D132.1 J1.A4 J3.1 TP7.1 U1.3 U3.5 U12.5 U13.5 U14.5 U15.5 U16.5 U17.5 U18.5 U19.5
/button-grid1/1x1: SW4.2 U5.3
/button-grid1/1x2: SW4.10 U5.1
/button-grid1/1x3: SW4.18 U5.28
/button-grid1/1x4: SW4.26 U5.26
/button-grid1/2x1: SW4.4 U5.4
/button-grid1/2x2: SW4.12 U5.2
/button-grid1/2x3: SW4.20 U5.27
/button-grid1/2x4: SW4.28 U5.25
/button-grid1/3x1: SW4.6 U5.5
/button-grid1/3x2: SW4.14 U5.8
/button-grid1/3x3: SW4.22 U5.21
/button-grid1/3x4: SW4.30 U5.24
/button-grid1/4x1: SW4.8 U5.6
/button-grid1/4x2: SW4.16 U5.7
/button-grid1/4x3: SW4.24 U5.22
/button-grid1/4x4: SW4.32 U5.23
/button-grid1/LED_DOUT: D21.2 D52.4
/button-grid2/1x1: SW5.2 U6.3
/button-grid2/1x2: SW5.10 U6.1
/button-grid2/1x3: SW5.18 U6.28
/button-grid2/1x4: SW5.26 U6.26
/button-grid2/2x1: SW5.4 U6.4
/button-grid2/2x2: SW5.12 U6.2
/button-grid2/2x3: SW5.20 U6.27
/button-grid2/2x4: SW5.28 U6.25
/button-grid2/3x1: SW5.6 U6.5
/button-grid2/3x2: SW5.14 U6.8
/button-grid2/3x3: SW5.22 U6.21
/button-grid2/3x4: SW5.30 U6.24
/button-grid2/4x1: SW5.8 U6.6
/button-grid2/4x2: SW5.16 U6.7
/button-grid2/4x3: SW5.24 U6.22
/button-grid2/4x4: SW5.32 U6.23
/button-grid2/LED_DOUT: D37.2 D68.4
/button-grid3/1x1: SW6.2 U7.3
/button-grid3/1x2: SW6.10 U7.1
/button-grid3/1x3: SW6.18 U7.28
/button-grid3/1x4: SW6.26 U7.26
/button-grid3/2x1: SW6.4 U7.4
/button-grid3/2x2: SW6.12 U7.2
/button-grid3/2x3: SW6.20 U7.27
/button-grid3/2x4: SW6.28 U7.25
/button-grid3/3x1: SW6.6 U7.5
/button-grid3/3x2: SW6.14 U7.8
/button-grid3/3x3: SW6.22 U7.21
/button-grid3/3x4: SW6.30 U7.24
/button-grid3/4x1: SW6.8 U7.6
/button-grid3/4x2: SW6.16 U7.7
/button-grid3/4x3: SW6.24 U7.22
/button-grid3/4x4: SW6.32 U7.23
/button-grid3/LED_DOUT: D53.2 R10.1
/button-grid4/1x1: SW7.2 U8.3
/button-grid4/1x2: SW7.10 U8.1
/button-grid4/1x3: SW7.18 U8.28
/button-grid4/1x4: SW7.26 U8.26
/button-grid4/2x1: SW7.4 U8.4
/button-grid4/2x2: SW7.12 U8.2
/button-grid4/2x3: SW7.20 U8.27
/button-grid4/2x4: SW7.28 U8.25
/button-grid4/3x1: SW7.6 U8.5
/button-grid4/3x2: SW7.14 U8.8
/button-grid4/3x3: SW7.22 U8.21
/button-grid4/3x4: SW7.30 U8.24
/button-grid4/4x1: SW7.8 U8.6
/button-grid4/4x2: SW7.16 U8.7
/button-grid4/4x3: SW7.24 U8.22
/button-grid4/4x4: SW7.32 U8.23
/button-grid4/LED_DIN: D84.4 R9.1
/button-grid4/LED_DOUT: D69.2 D100.4
/button-grid5/1x1: SW8.2 U9.3
/button-grid5/1x2: SW8.10 U9.1
/button-grid5/1x3: SW8.18 U9.28
/button-grid5/1x4: SW8.26 U9.26
/button-grid5/2x1: SW8.4 U9.4
/button-grid5/2x2: SW8.12 U9.2
/button-grid5/2x3: SW8.20 U9.27
/button-grid5/2x4: SW8.28 U9.25
/button-grid5/3x1: SW8.6 U9.5
/button-grid5/3x2: SW8.14 U9.8
/button-grid5/3x3: SW8.22 U9.21
/button-grid5/3x4: SW8.30 U9.24
/button-grid5/4x1: SW8.8 U9.6
/button-grid5/4x2: SW8.16 U9.7
/button-grid5/4x3: SW8.24 U9.22
/button-grid5/4x4: SW8.32 U9.23
/button-grid5/LED_DOUT: D85.2 D116.4
/button-grid6/1x1: SW9.2 U10.3
/button-grid6/1x2: SW9.10 U10.1
/button-grid6/1x3: SW9.18 U10.28
/button-grid6/1x4: SW9.26 U10.26
/button-grid6/2x1: SW9.4 U10.4
/button-grid6/2x2: SW9.12 U10.2
/button-grid6/2x3: SW9.20 U10.27
/button-grid6/2x4: SW9.28 U10.25
/button-grid6/3x1: SW9.6 U10.5
/button-grid6/3x2: SW9.14 U10.8
/button-grid6/3x3: SW9.22 U10.21
/button-grid6/3x4: SW9.30 U10.24
/button-grid6/4x1: SW9.8 U10.6
/button-grid6/4x2: SW9.16 U10.7
/button-grid6/4x3: SW9.24 U10.22
/button-grid6/4x4: SW9.32 U10.23
/button-grid6/LED_DOUT: D101.2 D132.4
/button-grid7/1x1: SW10.2 U11.3
/button-grid7/1x2: SW10.10 U11.1
/button-grid7/1x3: SW10.18 U11.28
/button-grid7/1x4: SW10.26 U11.26
/button-grid7/2x1: SW10.4 U11.4
/button-grid7/2x2: SW10.12 U11.2
/button-grid7/2x3: SW10.20 U11.27
/button-grid7/2x4: SW10.28 U11.25
/button-grid7/3x1: SW10.6 U11.5
/button-grid7/3x2: SW10.14 U11.8
/button-grid7/3x3: SW10.22 U11.21
/button-grid7/3x4: SW10.30 U11.24
/button-grid7/4x1: SW10.8 U11.6
/button-grid7/4x2: SW10.16 U11.7
/button-grid7/4x3: SW10.24 U11.22
/button-grid7/4x4: SW10.32 U11.23
/button-grid/1x1: SW3.2 U4.3
/button-grid/1x2: SW3.10 U4.1
/button-grid/1x3: SW3.18 U4.28
/button-grid/1x4: SW3.26 U4.26
/button-grid/2x1: SW3.4 U4.4
/button-grid/2x2: SW3.12 U4.2
/button-grid/2x3: SW3.20 U4.27
/button-grid/2x4: SW3.28 U4.25
/button-grid/3x1: SW3.6 U4.5
/button-grid/3x2: SW3.14 U4.8
/button-grid/3x3: SW3.22 U4.21
/button-grid/3x4: SW3.30 U4.24
/button-grid/4x1: SW3.8 U4.6
/button-grid/4x2: SW3.16 U4.7
/button-grid/4x3: SW3.24 U4.22
/button-grid/4x4: SW3.32 U4.23
/button-grid/LED_DIN: D20.4 D117.2
/button-grid/LED_DOUT: D5.2 D36.4
/CC1: J1.A5 R1.1
/CC2: J1.B5 R4.1
/clock-and-trig1/TIP: J7.T J9.TN R22.2
/clock-and-trig2/TIP: J9.T J11.TN R25.2
/clock-and-trig3/TIP: J11.T J13.TN R28.2
/clock-and-trig4/TIP: J13.T J15.TN R31.2
/clock-and-trig5/TIP: J15.T J17.TN R34.2
/clock-and-trig6/TIP: J17.T J19.TN R37.2
/clock-and-trig7/TIP: J19.T R40.2
/clock-and-trig/NORM: J5.TN
/clock-and-trig/TIP: J5.T J7.TN R19.2
/EXT_CLOCK_0: Q1.3 R21.2 U2.39
/EXT_CLOCK_1: Q2.3 R24.2 U2.40
/EXT_CLOCK_2: Q3.3 R27.2 U2.43
/EXT_CLOCK_3: Q4.3 R30.2 U2.44
/EXT_CLOCK_4: Q5.3 R33.2 U2.45
/EXT_CLOCK_5: Q6.3 R36.2 U2.46
/EXT_CLOCK_6: Q7.3 R39.2 U2.47
/EXT_CLOCK_7: Q8.3 R42.2 U2.48
/EXT_TRIG_0: U2.49 U12.2
/EXT_TRIG_0_BOT: J23.1 R20.2
/EXT_TRIG_0_TOP: J6.T J22.1
/EXT_TRIG_1: U2.52 U13.2
/EXT_TRIG_1_BOT: J23.2 R23.2
/EXT_TRIG_1_TOP: J8.T J22.2
/EXT_TRIG_2: U2.53 U14.2
/EXT_TRIG_2_BOT: J23.3 R26.2
/EXT_TRIG_2_TOP: J10.T J22.3
/EXT_TRIG_3: U2.54 U15.2
/EXT_TRIG_3_BOT: J23.4 R29.2
/EXT_TRIG_3_TOP: J12.T J22.4
/EXT_TRIG_4: U2.55 U16.2
/EXT_TRIG_4_BOT: J23.5 R32.2
/EXT_TRIG_4_TOP: J14.T J22.5
/EXT_TRIG_5: U2.56 U17.2
/EXT_TRIG_5_BOT: J23.6 R35.2
/EXT_TRIG_5_TOP: J16.T J22.6
/EXT_TRIG_6: U2.57 U18.2
/EXT_TRIG_6_BOT: J23.7 R38.2
/EXT_TRIG_6_TOP: J18.T J22.7
/EXT_TRIG_7: U2.58 U19.2
/EXT_TRIG_7_BOT: J23.8 R41.2
/EXT_TRIG_7_TOP: J20.T J22.8
/GPIO0: J25.5 U2.77
/GPIO1: R46.1 U2.78 U20.6
/GPIO2: U2.79 U7.20
/GPIO3: U2.80 U7.19
/GPIO4: U2.1 U8.20
/GPIO5: U2.2 U7.11
/GPIO6: U2.3 U8.19
/GPIO7: U2.4
/GPIO8: U2.6
/GPIO9: U2.7 U8.11
/GPIO10: TP1.1 U2.8 U3.2
/GPIO11: U2.9 U6.20
/GPIO12: U2.11 U6.19
/GPIO13: U2.12 U6.11
/GPIO14: U2.13 U9.20
/GPIO15: U2.14 U9.19
/GPIO16: TP2.1 U2.16 U4.14 U5.14 U6.14 U7.14 U8.14 U9.14 U10.14 U11.14
/GPIO17: TP5.1 U2.17 U9.11
/GPIO18: TP3.1 U2.18 U4.12 U5.12 U6.12 U7.12 U8.12 U9.12 U10.12 U11.12
/GPIO19: TP4.1 U2.19 U4.13 U5.13 U6.13 U7.13 U8.13 U9.13 U10.13 U11.13
/GPIO20: U2.20 U5.20
/GPIO21: U2.21 U5.11
/GPIO22: U2.22 U5.19
/GPIO23: U2.23 U10.20
/GPIO24: U2.25 U10.19
/GPIO25: U2.26 U10.11
/GPIO26: U2.27 U11.20
/GPIO27: U2.28 U11.19
/GPIO28: U2.36 U4.20
/GPIO29: U2.37 U11.11
/GPIO30: U2.38 U4.19
/GPIO33: U2.42 U4.11
/LED_DIN_5V: R9.2 U3.4
/MIDI_OUT_BOT: J24.5 R48.1 R49.2
/QSPI_SCLK: U2.71
/QSPI_SD0: U2.72
/QSPI_SD1: U2.74
/QSPI_SD2: U2.73
/QSPI_SD3: U2.70
/QSPI_SS: J25.1 U2.75
/QSPI_SS_BOT: J24.1 J27.1 SW2.2
/RUN: J25.4 U2.35
/RUN_BOT: J24.4 J26.1 SW1.2
/SWCLK: J25.2 U2.33
/SWCLK_BOT: J2.1 J24.2
/SWD: J25.3 U2.34
/SWD_BOT: J2.3 J24.3
/USB_D+: D1.2 J1.A6 J1.B6 R7.1
/USB_D-: D2.2 J1.A7 J1.B7 R8.1
/VREG_AVDD: C7.1 R5.2 U2.61
/VREG_LX: L1.2 U2.63
/XIN: C2.1 U2.30 Y1.1
/XOUT: R6.1 U2.31
